# KiCad board repaper.kicad_pcb (continued)
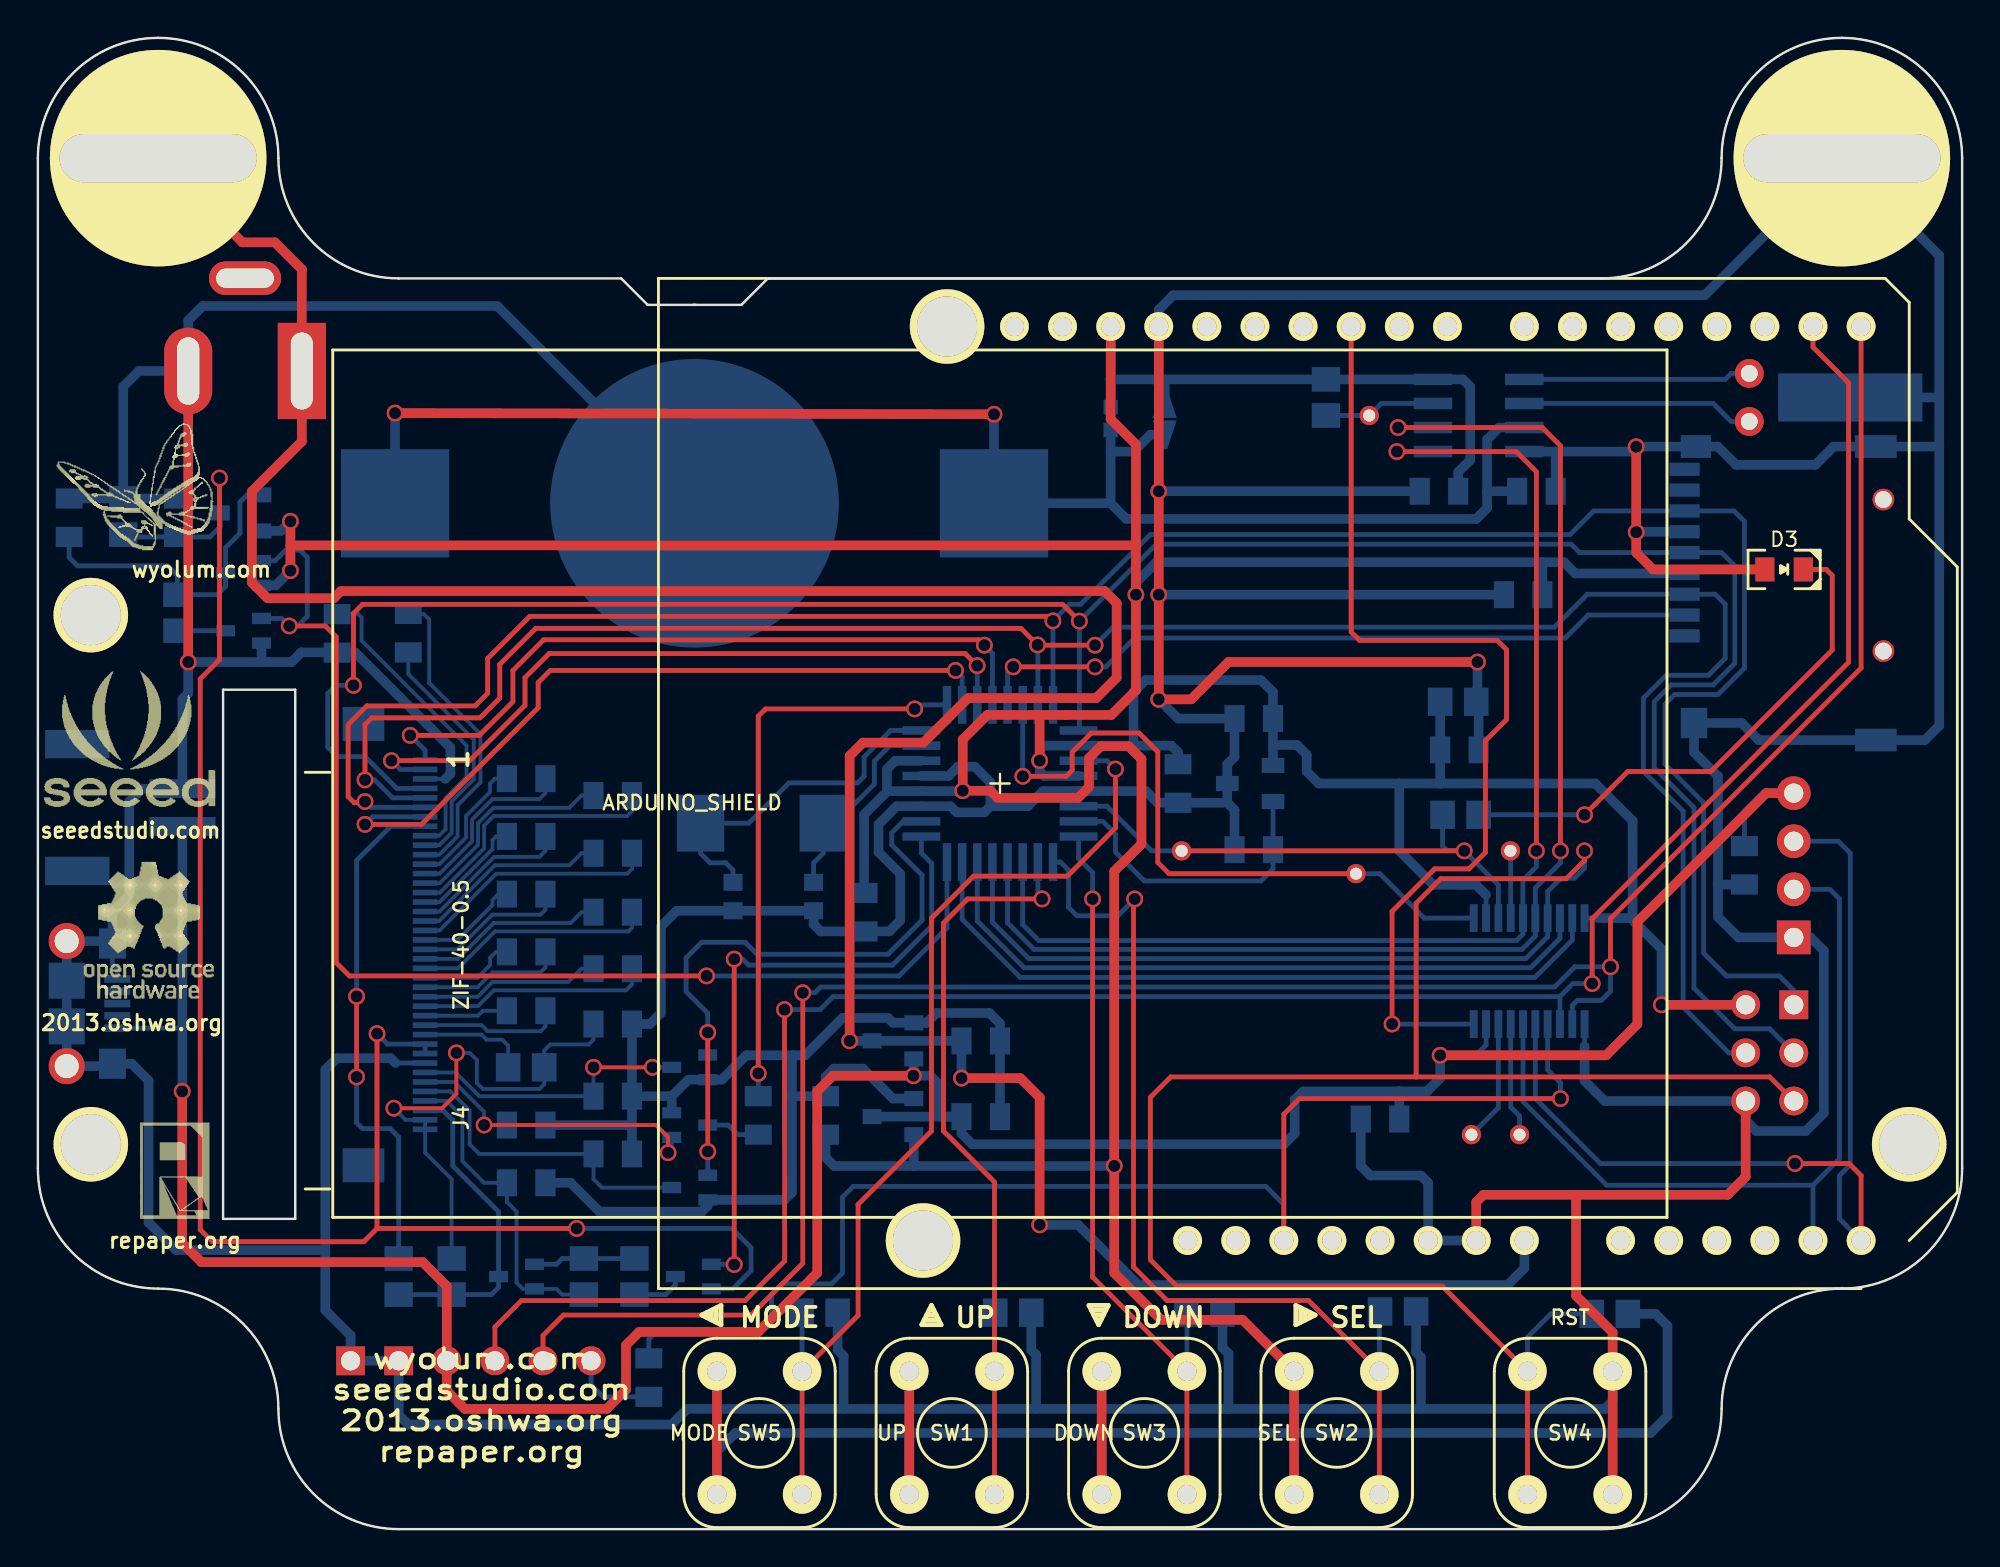
[diagram p0: board, top side]
## Nets
/3V3: C4.1 C5.1 C7.2 C27.2 C28.1 C29.1 C33.1 D2.2 P2.5 Q1.2 Q3.2 R7.2 R8.2 R16.2 SD1.4 SHIELD1.AREF SL1.2 SW1.2 SW2.2 SW3.2 SW5.2 U1.1 U2.4 U2.6 U2.18 U2.20 U3.2 U4.2 U4.10 U5.8
/VCC5V: C2.1 C34.1 C35.1 P3.3 P4.1 P5.1 P7.1 U3.3 U4.19 U6.2
/VCC_T: C1.2 J4.31 J4.32 Q1.3 Q7.2 R2.1
GND: BT1.- C1.1 C2.2 C3.1 C4.2 C5.2 C6.1 C7.1 C8.2 C9.1 C10.1 C21.1 C22.2 C23.2 C24.2 C25.2 C27.1 C28.2 C29.2 C30.2 C32.2 C33.2 C34.2 C35.2 D1.2 D3.2 H2.1 J4.3 J4.33 P2.1 P3.1 P3.2 P4.4 P5.2 P6.2 P7.5 P7.T1 P7.T2 P7.T3 P7.T4 P7.T5 P7.T6 Q2.2 Q4.2 Q5.2 R2.2 R4.1 R5.1 R6.1 R13.1 R16.1 SD1.6 SD1.G1 SD1.G2 SD1.G3 SD1.G4 SHIELD1.GND1 SHIELD1.GND2 SHIELD1.GND3 SW4.1 U1.3 U2.3 U2.5 U2.21 U3.1 U4.11 U5.4 U6.1 X2.3
//EPD_CS_3V3: J4.1 U2.12
//RESET_3V3: J4.7 U2.10
/AD7: AD7.1 U4.18
/AD7_3V3: AD7_3V3.1 R14.1 U2.22 U4.3
/BATT_3V: BT1.+ C32.1 D2.1 SL1.1 U5.3
/BORDER: J4.38 Q6.3 R3.2 R11.1
/BORDER_CONTROL: Q7.1 U2.1
/BUSY_3V3: J4.2 U2.11
/C11M: C20.1 J4.28
/C11P: C20.2 J4.29
/C12M: C19.1 J4.26
/C12P: C19.2 J4.27
/C13M: C18.1 J4.24
/C13P: C18.2 J4.25
/C14M: C17.1 J4.22
/C14P: C17.2 J4.23
/C15M: C16.1 J4.20
/C15P: C16.2 J4.21
/C16M: C15.1 J4.18
/C16P: C15.2 J4.19
/C21M: C14.1 J4.16
/C21P: C14.2 J4.17
/C31M: C13.1 J4.14
/C31P: C13.2 J4.15
/C41M: C12.2 J4.13
/C41P: C12.1 J4.12
/C42M: C11.2 J4.11
/C42P: C11.1 J4.10
/DISCHARGE: Q4.1 Q5.1 U2.2
/DOWN: R4.2 SW3.1 U2.24
/DTR: C31.2 P3.6
/MODE: R13.2 SW5.1 U2.19
/PANEL_ON: Q2.1 Q3.1 U2.32
/PWM: C26.2 U2.9
/RST: C31.1 SHIELD1.RST U4.14
/RST_3V3: P2.2 R7.1 SW4.2 U2.29 U4.7
/RXD: P3.4 SHIELD1.1 U4.13
/RXD_3V3: U2.30 U4.8
/SCL: P4.2 SHIELD1.AD5 U4.15
/SCL_3V3: U2.28 U4.6 U5.6
/SD_CS_3V3: SD1.2 U2.13
/SDA: P4.3 SHIELD1.AD4 U4.16
/SDA_3V3: U2.27 U4.5 U5.5
/SEL: R5.2 SW2.1 U2.25
/SPI_CLK_3V3: J4.4 P2.4 SD1.5 U2.17
/SPI_MISO_3V3: J4.6 P2.6 SD1.7 U2.16
/SPI_MOSI_3V3: J4.5 P2.3 SD1.3 U2.15
/SPI_SS: SHIELD1.10 U4.20
/SPI_SS_3V3: PB2.1 U2.14 U4.1
/SQW: R8.1 U5.7 U5/7.1
/TEMPERATURE: C8.1 U1.2 U2.23
/TXD: P3.5 SHIELD1.0 U4.12
/TXD_3V3: U2.31 U4.9
/UP: R6.2 SW1.1 U2.26
/V_IN: C30.1 H1.1 P6.1 SHIELD1.V_IN U6.3
/VCL: C10.2 J4.9
/VCOM: C21.2 J4.39 J4.40 R9.2 R11.2
/VCOM_DRIVER: J4.30 R9.1
/VDH: C24.1 J4.36 Q5.3
/VDL: C25.1 J4.37 Q6.2 R10.2
/VGH: C22.1 J4.34 Q4.3
/VGL: C23.1 D1.1 J4.35
N-000001: A3.1 U4.4
N-000003: C3.2 Q1.1 Q3.3 R1.2
N-000004: Q2.3 R1.1
N-000007: B3.1 U4.17
N-000009: C9.2 U2.8 X1.1
N-0000010: C6.2 U2.7 X1.2
N-0000012: Q6.1 R10.1 R12.1
N-0000026: Q7.3 R12.2
N-0000027: C26.1 D1.3
N-0000028: J4.8 R3.1
N-0000052: D3.1 R14.2
N-0000064: U5.1 X2.1
N-0000065: U5.2 X2.2

Pads without a net: H5 1; H6 1; J4 41 42; P6 3; P7 2 3 4; SD1 1 8 9 H1 H2; SHIELD1 2 3 3V3 4 5 5V 6 7 8 9 11 12 13 AD0 AD1 AD2 AD3 H1 H2 H4 NC SCL SDA

## Via types
v1: diameter 0.889, hole 0.635, Top to Bottom, 75 vias

## Routing (per net, layer and track width the routed paths; a pad name or vN(x,y) marks a point on that pad's centre or on a via; arc(x,y) is an arc through that point)
/3V3: length 406.5
  Top w0.508: v1(13.34,50.61) 13.34,51.94 ; 13.34,51.94 v1(13.34,53.21) ; 13.34,51.94 57.98,51.94 ; SHIELD1.AREF 56.64,58.61 57.98,57.28 57.98,51.94 ; 57.98,51.94 v1(57.98,49.34) 57.98,44.28 56.68,42.99 52.9,42.99 ; 52.9,42.99 50.13,42.99 48.83,41.69 v1(48.83,38.99) 50.29,38.99 50.67,38.61 54.91,38.61 55.5,39.19 55.5,40.72 56.12,41.34 57.59,41.34 58.27,40.67 58.27,36.17 56.83,34.73 v1(56.83,19.18) 56.83,13.53 59.31,11.05 63.61,11.05 SW2.2 SW2.2 ; 52.9,42.99 v1(52.9,40.58) ; SW3.2 SW3.2 ; SW5.2 SW5.2 ; SW1.2 SW1.2 ; P2.5 v1(85.72,27.69)
  Bottom w0.254: U4.10 82.37,32.26 ; U4.2 76.46,33.49
  Bottom w0.508: v1(48.83,38.99) 48.81,38.97 U2.4 44.86,38.97 ; 57.85,41.37 57.85,44.2 58.48,44.83 64.58,44.83 65.21,44.2 C7.2 65.21,41.4 ; 57.85,41.37 U2.18 53.12,41.37 52.9,41.15 v1(52.9,40.58) 52.9,40 53.13,39.77 U2.20 ; 57.85,41.37 59.85,41.37 60.2,41.02 C27.2 ; R7.2 85.41,11.37 86.04,10.73 86.04,5.97 85.15,5.08 66.36,5.08 ; 65.21,41.4 U1.1 ; 65.21,41.4 66.48,41.4 66.99,40.89 66.99,40 67.63,39.37 71.88,39.37 ; C33.1 74.99,55.82 75.63,56.45 75.63,60.32 75.25,60.71 U5.8 R8.2 59.5,60.71 ; 79.44,51.05 80.58,51.05 81.17,50.46 SD1.4 ; 79.44,51.05 C5.1 ; 79.44,51.05 59.05,51.05 57.98,49.97 v1(57.98,49.34) ; 56.64,60.71 SHIELD1.AREF ; 56.64,60.71 D2.2 ; 56.64,60.71 59.5,60.71 ; 66.36,5.08 66.33,5.08 SW2.2 ; 66.36,5.08 56.13,5.08 ; 56.13,5.08 56.17,5.08 SW3.2 ; 56.13,5.08 46.04,5.08 ; 46.04,5.08 46.01,5.08 SW1.2 ; 46.04,5.08 36.83,5.08 35.85,4.1 SW5.2 ; 46.23,19.18 v1(56.83,19.18) ; 46.23,19.18 46.25,19.18 U3.2 ; 46.23,19.18 42.04,19.18 41.59,19.62 C28.1 ; 44.86,38.97 44.83,38.97 44.83,40.13 45.27,40.57 U2.6 ; 44.86,38.97 43.62,37.73 C29.1 ; v1(13.34,50.61) 12.56,49.83 Q3.2 ; v1(13.34,53.21) 12.83,52.7 Q1.2 ; 59.5,60.71 SL1.2 ; 76.46,33.49 75.93,34.02 73.67,34.02 71.88,35.81 71.88,39.37 ; 84.09,32.26 85.72,30.63 v1(85.72,27.69) ; 84.09,32.26 84.2,32.26 84.2,37.4 82.23,39.37 74.1,39.37 ; 84.09,32.26 82.37,32.26 ; 74.1,39.37 74.04,39.37 C4.1 R16.2 ; 74.1,39.37 71.88,39.37
/VCC5V: length 162.9
  Top w0.508: v1(7.62,23.11) 7.62,15.11 8.64,14.1 20.32,14.1 21.59,12.83 P3.3 21.59,7.3 22.54,6.35 30.04,6.35 31.05,7.37 31.05,9.72 31.75,10.41 38.04,10.41 41.15,13.53 41.15,23.11 41.97,23.94 v1(46.23,23.94) ; P4.1 91.25,38.86 84.46,32.07 84.46,26.67 82.8,25.02 v1(74.04,25.02)
  Bottom w0.254: C34.1 90.11,37.91 91.06,38.86 P4.1 ; v1(74.04,25.02) 75.92,25.02 76.46,25.56 U4.19 ; P7.1 7.63,26.45
  Bottom w0.508: 71.88,23.11 66.8,23.11 66.36,22.67 66.36,20.89 65.79,20.32 49.34,20.32 48.77,20.89 C35.1 ; 71.88,23.11 C2.1 ; 71.88,23.11 73.34,23.11 74.04,23.81 v1(74.04,25.02) ; C35.1 47.69,21.78 47.5,21.97 47.5,23.56 47.12,23.94 v1(46.23,23.94) 46.25,23.96 U6.2 ; C35.1 U3.3 ; v1(7.62,23.11) 7.63,23.12 P5.1
/VCC_T: length 95.4
  Top w0.254: 17.91,15.88 17.21,15.18 9.21,15.18 8.57,15.81 8.57,44.89 9.59,45.91 v1(9.59,55.5) ; 17.91,15.88 v1(17.91,26.16) ; 17.91,15.88 v1(28.45,15.88)
  Bottom w0.254: v1(28.45,15.88) 36.64,15.88 37.66,14.86 37.66,13.65 36.69,12.68 Q7.2 ; R2.1 4.64,52.39 C1.2 9.08,52.39 9.63,52.94 Q1.3 9.59,53.7 v1(9.59,55.5) ; v1(17.91,26.16) 18.46,25.61 J4.31 J4.32
GND: length 680.6
  Top w0.508: 81.22,17.65 81.22,12.32 83.15,10.39 SW4.1 SW4.1 ; 81.22,17.65 76.33,17.65 75.95,17.27 SHIELD1.GND2 ; 81.22,17.65 89.22,17.65 90.17,18.61 P2.1 ; SHIELD1.GND3 v1(59.18,54.8) v1(59.18,49.34) v1(59.18,43.81) 60.9,43.81 62.87,45.78 v1(76.01,45.78) ; v1(84.39,57.15) v1(84.39,52.64) 84.39,51.56 85.28,50.67 D3.2 ; P6.2 v1(7.94,45.78)
  Bottom w0.203: J4.3 21.51,39.61
  Bottom w0.254: P7.T2 3.94,29.84 4.19,29.59 P7.5 ; 18.89,24.61 J4.33 ; U4.11 81.67,25.5
  Bottom w0.508: v1(59.18,43.81) 60.2,42.8 C7.1 63.18,40.77 62.8,40.39 U1.3 62.8,38.35 ; 33.47,22.86 34.34,23.73 Q4.2 36.12,23.73 37.4,25.02 39.81,25.02 ; 33.47,22.86 33.46,22.86 C22.2 ; 33.47,22.86 D1.2 ; 31.37,21.34 C24.2 ; 31.37,21.34 C22.2 ; 31.37,21.34 C23.2 ; SW4.1 83.15,6.76 82.74,6.35 73.03,6.35 ; 52.71,6.35 42.54,6.35 ; 52.71,6.35 52.71,9.21 52.45,9.46 R6.1 ; 52.71,6.35 62.87,6.35 ; 42.54,6.35 42.54,9.14 42.23,9.46 R13.1 ; 42.54,6.35 34.29,6.35 33.46,5.52 19.56,5.52 19.05,6.03 P3.2 P3.1 16.51,10.22 15.18,11.56 15.18,14.73 ; 62.8,38.35 63.18,37.97 C8.2 ; 62.8,38.35 C27.1 59.12,38.35 58.5,38.97 U2.21 53.07,38.97 52.27,38.17 50.29,38.17 ; 88.71,34.04 88.71,32.32 89.79,31.24 P4.4 93.6,31.24 94.3,30.54 94.3,21.97 93.34,21.02 90.74,21.02 90.17,21.59 P2.1 82.73,22.61 81.67,23.67 81.67,25.5 ; 88.71,34.04 C34.2 ; 88.71,34.04 88.71,39.75 87.44,41.02 SD1.G4 89.96,42.56 90.86,41.66 SD1.G3 99.64,41.66 100.39,42.42 100.39,57.15 ; 62.87,6.35 62.87,9.27 62.55,9.59 R4.1 ; 62.87,6.35 73.03,6.35 ; 73.03,6.35 73.03,9.08 72.77,9.33 72.77,11.43 ; 50.29,38.17 50.29,39.43 49.47,40.26 48.58,40.26 48.09,39.77 U2.5 ; 50.29,38.17 49.97,37.85 48.51,37.85 48.19,38.17 U2.3 45.35,38.17 44.39,37.21 44.39,35.75 45.53,34.61 45.53,32.13 44.96,31.56 C29.2 41.34,31.56 40.96,31.94 C6.1 C9.1 33.73,32.65 32.89,31.81 32.89,27.24 32.32,26.67 C21.1 C22.2 ; 39.81,25.02 40.51,25.02 42.48,26.99 44.89,26.99 45.15,26.73 U6.1 46.93,26.73 47.45,27.25 50.24,27.25 50.8,26.7 C30.2 C35.2 ; 39.81,25.02 39.81,22.86 ; 15.18,14.73 15.18,24.26 15.78,24.86 18.63,24.86 18.89,24.61 ; 15.18,14.73 7.3,14.73 5.84,16.19 5.84,23.69 4.95,24.57 P7.T1 3.81,24.45 P7.T5 P7.T3 P7.T4 P7.T6 3.81,31.05 P7.T2 3.94,32.58 4.83,33.46 4.83,38.42 5.51,39.1 P5.2 7.63,43.83 7.94,44.13 v1(7.94,45.78) 11.75,45.78 ; 39.81,22.86 C28.2 41.59,23.88 42.04,24.32 43.56,24.32 45.15,22.73 U3.1 ; 39.81,22.86 39.81,17.78 39.42,17.38 Q5.2 35.37,17.08 35.05,16.76 29.65,16.76 28.13,18.29 C25.2 ; 11.75,45.78 11.81,45.78 Q2.2 ; 11.75,45.78 13.4,45.78 13.91,46.29 15.79,46.29 C10.1 16.76,46.28 21.78,41.26 21.78,39.88 21.51,39.61 ; BT1.- 24.26,64.58 8.7,64.58 7.94,63.82 P6.2 5.33,61.15 4.51,60.32 R2.2 ; v1(84.39,52.64) 84.41,52.66 SD1.6 ; 100.39,57.15 100.39,57.16 SD1.G2 94.82,57.16 93.85,56.2 89.66,56.2 88.7,57.16 SD1.G1 84.39,57.16 v1(84.39,57.15) 84.14,56.9 80.14,56.9 ; 100.39,57.15 100.39,59.75 ; 100.39,59.75 100.39,67.25 H2.1 88.01,65.15 59.94,65.15 59.18,64.39 SHIELD1.GND3 ; 100.39,59.75 X2.3 ; R2.2 C1.1 ; R2.2 C3.1 ; C4.2 76.07,43.56 R16.1 76.01,43.75 v1(76.01,45.78) ; 80.14,56.9 U5.4 ; 80.14,56.9 C32.2 ; C5.2 v1(59.18,49.34) ; C2.2 69.85,19.18 70.36,18.67 73.03,18.67 73.41,18.29 SHIELD1.GND1 SHIELD1.GND2 ; C33.2 v1(59.18,54.8)
//EPD_CS_3V3: length 38.4
  Top w0.254: v1(49.97,46.67) 49.69,46.96 26.7,46.96 25.08,45.34 25.08,43.69 23.3,41.91 v1(19.66,41.91)
  Bottom w0.254: v1(49.97,46.67) 50.4,46.25 U2.12 ; v1(19.66,41.91) 20.45,41.12 J4.1
//RESET_3V3: length 40.6
  Top w0.254: v1(17.27,37.21) 20.26,37.21 26.42,43.37 26.42,44.7 27.05,45.34 v1(48.45,45.34)
  Bottom w0.254: v1(48.45,45.34) 48.8,44.99 U2.10 ; v1(17.27,37.21) 17.67,37.61 J4.7
/AD7: length 6.4
  Bottom w0.254: AD7.1 77.11,22.25 U4.18
/AD7_3V3: length 28.5
  Top w0.254: AD7_3V3.1 v1(75.31,35.81)
  Bottom w0.254: U2.22 56.44,38.17 58.8,35.81 AD7_3V3.1 ; R14.1 74.17,36.07 74.42,35.81 v1(75.31,35.81) 77.11,34.01 U4.3
/BATT_3V: length 82.2
  Top w0.508: v1(18.86,58.93) v1(50.48,58.86)
  Bottom w0.508: 76.52,54.8 76.52,57.53 77.15,58.17 U5.3 ; 76.52,54.8 C32.1 ; 76.52,54.8 76.52,53.91 75.95,53.34 57.47,53.34 56.64,54.17 ; 56.64,54.17 56.64,56.9 ; 56.64,54.17 BT1.+ v1(50.48,58.86) ; 56.64,56.9 57.85,56.9 58.74,57.78 SL1.1 ; 56.64,56.9 D2.1 ; v1(18.86,58.93) BT1.+
/BORDER: length 16.9
  Bottom w0.254: R3.2 R11.1 23.94,12.38 24.32,12.77 Q6.3 24.32,16.76 21.91,19.18 21.91,21.59 21.39,22.11 J4.38
/BORDER_CONTROL: length 33.7
  Top w0.254: v1(36.77,30.1) v1(36.77,13.97)
  Bottom w0.254: v1(36.77,13.97) 36.75,13.99 Q7.1 ; U2.1 46.65,35.7 47.19,35.15 47.19,31.85 45.12,29.78 37.53,29.78 37.21,30.1 v1(36.77,30.1)
/BUSY_3V3: length 38.4
  Top w0.254: v1(49.59,45.59) 48.96,46.23 26.99,46.23 25.72,44.96 25.72,43.5 22.8,40.58 v1(18.67,40.58)
  Bottom w0.254: v1(49.59,45.59) 49.6,45.59 U2.11 ; v1(18.67,40.58) 19.13,40.11 J4.2
/C11M: length 4.4
  Bottom w0.203: C20.1 23.5,27.37 23.24,27.11 J4.28
/C11P: length 7.4
  Bottom w0.203: C20.2 26.8,26.54 26.54,26.29 23.75,26.29 23.43,26.61 J4.29
/C12M: length 9.5
  Bottom w0.203: C19.1 28.7,29.59 28,28.89 24,28.89 23.22,28.11 J4.26
/C12P: length 12.2
  Bottom w0.203: C19.2 31.37,28.77 31.05,28.45 24.07,28.45 23.23,27.61 J4.27
/C13M: length 5.1
  Bottom w0.203: J4.24 23.21,29.11 23.88,29.78 23.88,30.16 24.19,30.48 C18.1
/C13P: length 7.6
  Bottom w0.203: C18.2 26.8,29.65 26.54,29.4 24,29.4 23.21,28.61 J4.25
/C14M: length 9.9
  Bottom w0.203: J4.22 22.17,30.11 24.07,32 28.13,32 28.7,32.58 C17.1
/C14P: length 12.6
  Bottom w0.203: C17.2 31.37,31.75 31.18,31.56 24.13,31.56 22.18,29.61 J4.23
/C15M: length 5.5
  Bottom w0.203: J4.20 22.16,31.11 24,32.96 24,33.21 24.32,33.53 C16.1
/C15P: length 8
  Bottom w0.203: C16.2 26.8,32.7 26.54,32.45 24,32.45 22.16,30.61 J4.21
/C16M: length 10.4
  Bottom w0.203: C15.1 28.7,35.69 28.07,35.05 24.13,35.05 21.19,32.11 J4.18
/C16P: length 13.1
  Bottom w0.203: C15.2 31.37,34.86 31.12,34.61 24.21,34.61 21.21,31.61 J4.19
/C21M: length 6
  Bottom w0.203: J4.16 21.21,33.11 24,35.91 24,36.39 24.19,36.58 C14.1
/C21P: length 8.4
  Bottom w0.203: C14.2 26.8,35.81 26.48,35.5 24.09,35.5 21.21,32.61 J4.17
/C31M: length 11.5
  Bottom w0.203: C13.1 28.7,38.73 28.05,38.09 24.05,38.09 23.24,37.27 23.24,36.13 21.22,34.11 J4.14
/C31P: length 14.2
  Bottom w0.203: C13.2 31.37,37.91 31.12,37.66 24.07,37.66 23.56,37.15 23.56,35.94 21.23,33.61 J4.15
/C41M: length 9.5
  Bottom w0.203: C12.2 26.8,38.86 26.48,38.54 24,38.54 22.92,37.47 22.92,36.32 21.21,34.61 J4.13
/C41P: length 7.1
  Bottom w0.203: J4.12 21.2,35.11 22.61,36.51 22.61,37.66 23.88,38.93 23.88,39.37 24.13,39.62 C12.1
/C42M: length 16.4
  Bottom w0.203: J4.11 21.2,35.61 22.16,36.58 22.16,38.23 23.37,39.43 23.37,41.97 20.66,44.68 20.66,48.03 20.38,48.32 C11.2
/C42P: length 13.1
  Bottom w0.203: J4.10 21.19,36.11 21.84,36.77 21.84,38.42 23.01,39.59 23.01,41.69 19.56,45.15 C11.1
/DISCHARGE: length 34
  Top w0.254: v1(35.37,19.94) v1(35.37,26.23)
  Bottom w0.254: v1(35.37,19.94) 35.37,19.94 Q5.1 ; Q4.1 35.37,26.22 v1(35.37,26.23) 35.37,27.24 34.23,28.38 34.23,30.16 35.05,30.99 37.34,30.99 37.97,30.35 44.88,30.35 46.69,32.16 46.69,34.53 45.09,36.13 45.09,36.77 45.69,37.37 U2.2
/DOWN: length 40.2
  Top w0.254: v1(55.69,33.27) 55.69,13.31 SW3.1 SW3.1
  Bottom w0.254: v1(55.69,33.27) 55.69,34.67 54.95,35.41 U2.24 ; R4.2 60.67,11.4 SW3.1
/DTR: length 5.7
  Bottom w0.254: C31.2 32.83,6.98 29.84,6.98 29.21,7.62 P3.6
/MODE: length 53.3
  Top w0.254: v1(56.9,40.13) 56.9,37.02 54.36,34.48 49.4,34.48 47.18,32.26 47.18,21.02 43.31,17.14 43.31,11.29 SW5.1 SW5.1
  Bottom w0.254: R13.2 40.35,11.4 SW5.1 ; v1(56.9,40.13) 56.46,40.57 U2.19
/PANEL_ON: length 65.7
  Top w0.254: v1(35.31,29.21) 16.45,29.21 15.75,29.91 15.75,47.12 15.18,47.69 v1(13.27,47.69)
  Bottom w0.254: U2.32 48,31.74 45.47,29.21 v1(35.31,29.21) ; Q2.1 12.88,48.08 v1(13.27,47.69) 13.72,47.69 14.22,48.2 14.22,51.31 13.84,51.69 13.08,51.69 12.52,51.13 Q3.1
/PWM: length 30.3
  Top w0.254: v1(46.29,43.31) 38.42,43.31 38.04,42.93 v1(38.04,24.07)
  Bottom w0.254: v1(46.29,43.31) 46.5,43.52 U2.9 ; v1(38.04,24.07) C26.2
/RST: length 69.1
  Top w0.254: SHIELD1.RST 65.79,21.91 66.61,22.73 v1(80.39,22.73)
  Bottom w0.254: SHIELD1.RST 65.79,17.14 64.83,18.1 43.05,18.1 42.48,17.53 42.48,13.53 41.91,12.95 39.31,12.95 38.74,12.38 38.74,11.18 38.1,10.54 32.77,10.54 32.26,10.03 C31.1 ; U4.14 79.72,24.25 80.39,23.57 v1(80.39,22.73)
/RST_3V3: length 137.1
  Top w0.254: P2.2 91.44,23.88 72.77,23.88 ; 72.77,23.88 59.82,23.88 58.74,22.8 58.74,14.22 60.13,12.83 74.15,12.83 SW4.2 SW4.2 ; 72.77,23.88 72.77,33.05 74.07,34.34 80.7,34.34 81.66,35.31 v1(81.66,35.81)
  Bottom w0.254: R7.1 79.88,11.37 78.65,10.13 SW4.2 ; U2.29 50.4,32.05 52.32,30.12 78.56,30.12 79.72,31.28 U4.7 79.72,33.67 80.42,34.37 81.13,34.37 81.66,34.9 v1(81.66,35.81)
/RXD: length 117.5
  Top w0.254: P3.4 24.13,10.67 25.53,12.06 37.34,12.06 39.43,14.16 v1(39.42,27.43) ; SHIELD1.1 93.73,62.41 95.61,60.53 95.61,45.77 82.07,32.23 v1(82.07,28.8)
  Bottom w0.254: v1(39.42,27.43) 41.3,27.43 41.99,28.12 80.37,28.12 ; 80.37,28.12 81.05,28.8 v1(82.07,28.8) ; 80.37,28.12 U4.13
/RXD_3V3: length 36.6
  Bottom w0.254: U2.30 49.6,32.11 52.07,29.64 78.82,29.64 80.37,31.19 U4.8
/SCL: length 50.6
  Top w0.254: v1(92.77,19.3) 95.63,19.3 96.27,18.67 SHIELD1.AD5
  Bottom w0.254: P4.2 95.06,36.32 95.69,35.69 95.69,19.24 95.12,18.67 95.12,16.38 SHIELD1.AD5 ; v1(92.77,19.3) 82.5,19.3 79.07,22.74 U4.15
/SCL_3V3: length 69.2
  Top w0.254: v1(71.82,58.17) 79.43,58.17 80.39,57.2 v1(80.39,35.81)
  Bottom w0.254: U5.6 v1(71.82,58.17) ; U2.28 51.2,32.01 52.6,30.61 78.35,30.61 79.07,31.32 U4.6 79.07,33.85 80.39,35.18 v1(80.39,35.81)
/SD_CS_3V3: length 38.7
  Top w0.254: v1(55.82,45.53) v1(51.5,45.53)
  Bottom w0.254: v1(55.82,45.53) 56.39,45.53 57.91,47.05 80.65,47.05 81.85,48.26 SD1.2 ; v1(51.5,45.53) 51.2,45.23 U2.13
/SDA: length 42.5
  Bottom w0.254: 93.73,18.16 95.12,19.56 95.12,33.27 94.62,33.78 P4.3 ; 93.73,18.16 82.83,18.16 78.41,22.58 U4.16 ; 93.73,18.16 SHIELD1.AD4
/SDA_3V3: length 64.6
  Top w0.254: v1(71.75,56.9) 78.05,56.9 79.12,55.83 v1(79.12,35.81)
  Bottom w0.254: U5.5 v1(71.75,56.9) ; U2.27 52,31.92 52.84,31.08 78.07,31.08 78.41,31.42 U4.5 78.41,32.27 78.41,34.26 79.12,34.98 v1(79.12,35.81)
/SEL: length 51.3
  Top w0.254: v1(57.91,33.27) 57.85,33.21 57.85,13.84 59.63,12.06 67.09,12.06 SW2.1 SW2.1
  Bottom w0.254: 70.87,11.43 70.83,11.39 SW2.1 ; v1(57.91,33.27) 57.02,32.38 54.86,32.38 54.42,32.83 54.42,34.8 54,35.22 U2.25
/SPI_CLK_3V3: length 128.6
  Top w0.254: v1(54.99,47.94) 54.1,48.83 17.15,48.83 16.66,48.35 v1(16.66,44.55)
  Bottom w0.254: P2.4 91.44,26.42 89.6,26.42 87.44,28.58 87.44,38.1 85.34,40.2 85.34,43.69 86.23,44.58 88.46,44.58 89.6,45.72 89.6,50.86 88.9,51.56 SD1.5 81.41,51.56 80.96,52.01 59.05,52.01 v1(54.99,47.94) 54.99,42.21 U2.17 ; v1(16.66,44.55) 15.75,44.55 15.3,44.11 15.3,41.29 15.8,40.79 17.27,40.79 18.95,39.11 J4.4
/SPI_MISO_3V3: length 125.6
  Top w0.254: v1(17.27,38.42) 17.21,38.35 16.7,38.35 16.38,38.67 16.38,42.48 17.37,43.47 23.08,43.47 23.75,44.13 23.75,45.97 25.97,48.2 53.35,48.2 v1(53.59,47.96)
  Bottom w0.254: v1(17.27,38.42) 17.58,38.11 J4.6 ; P2.6 92.71,28.45 91.95,29.21 89.15,29.21 87.95,30.42 87.95,38.35 85.92,40.39 85.92,43.56 86.42,44.07 88.71,44.07 90.11,45.47 90.11,53.21 89.56,53.76 SD1.7 82.15,53.76 80.9,52.51 58.74,52.51 55.05,48.83 54.47,48.83 v1(53.59,47.96) 53.6,47.96 U2.16
/SPI_MOSI_3V3: length 115.9
  Top w0.254: v1(55.82,46.67) 52.79,46.67 v1(52.78,46.69) 51.9,47.56 26.29,47.56 24.38,45.66 24.38,43.88 23.34,42.84 17.63,42.84 17.27,42.48 v1(17.27,39.56)
  Bottom w0.254: v1(52.78,46.69) 52.8,46.67 U2.15 ; P2.3 89.28,25.15 86.87,27.56 86.87,37.91 84.77,40 84.77,43.88 85.98,45.08 88.2,45.08 89.09,45.97 89.09,48.83 88.56,49.36 SD1.3 81.81,49.36 80.07,47.62 56.77,47.62 v1(55.82,46.67) ; v1(17.27,39.56) 17.78,39.56 18.73,38.61 J4.5
/SPI_SS: length 52.4
  Top w0.254: SHIELD1.10 69.34,47.37 69.79,46.93 77.05,46.93 77.55,46.43 77.55,42.75 76.43,41.63 76.43,35.73 75.56,34.86 73.75,34.86 71.5,32.61 v1(71.5,26.67)
  Bottom w0.254: v1(71.5,26.67) 71.51,26.66 U4.20
/SPI_SS_3V3: length 36.6
  Top w0.254: PB2.1 59.73,34.61 59.13,35.2 59.13,41.05 58.14,42.04 55.63,42.04 54.61,41.02 54.61,40.07 54.29,39.75 v1(52.01,39.75)
  Bottom w0.254: v1(52.01,39.75) 52,39.76 U2.14 ; PB2.1 70.85,34.61 73.2,32.26 U4.1
/SQW: length 5.9
  Bottom w0.254: R8.1 U5/7.1 70.93,59.44 U5.7
/TEMPERATURE: length 15.9
  Bottom w0.254: U2.23 56.23,37.37 56.9,36.7 56.9,35.75 58.42,34.23 64.58,34.23 65.21,34.86 C8.1 U1.2
/TXD: length 118
  Top w0.254: v1(40.39,28.32) 40.39,14.03 37.66,11.3 27.75,11.3 26.67,10.22 P3.5 ; v1(83.03,29.69) 83.03,32.23 96.27,45.47 SHIELD1.0
  Bottom w0.254: U4.12 81.02,27.65 81.28,27.91 82.55,27.91 83.03,28.4 v1(83.03,29.69) 81.15,29.69 80.09,28.63 41.33,28.63 41.02,28.32 v1(40.39,28.32)
/TXD_3V3: length 38.5
  Bottom w0.254: U2.31 48.8,32.2 51.87,29.13 79.04,29.13 81.02,31.1 U4.9
/UP: length 42.2
  Top w0.254: v1(53.02,33.27) 49.09,33.27 47.82,32 47.82,21.02 50.51,18.32 SW1.1 SW1.1
  Bottom w0.254: v1(53.02,33.27) 52.8,33.5 U2.26 ; R6.2 50.51,11.39 SW1.1
/V_IN: length 156.8
  Top w0.508: v1(52.9,16.07) 52.9,22.8 51.88,23.81 v1(48.77,23.81) ; H1.1 10.8,67.94 12.51,67.94 13.94,66.52 P6.1 13.94,57.43 11.3,54.8 11.3,49.97 12.13,49.15 15.62,49.15 16,49.53 56.32,49.53 56.96,48.89 56.96,44.96 55.88,43.88 49.11,43.88 46.76,41.53 43.56,41.53 42.86,40.83 v1(42.86,25.78)
  Bottom w0.508: v1(48.77,23.81) C30.1 U6.3 v1(42.86,25.78) ; SHIELD1.V_IN 78.49,13.78 77.6,12.89 58.1,12.89 54.93,16.07 v1(52.9,16.07)
/VCL: length 16.5
  Bottom w0.203: C10.2 16.92,48.31 17.09,48.13 17.09,46.91 22.63,41.38 22.63,39.71 21.53,38.61 21.53,36.96 21.18,36.61 J4.9
/VCOM: length 27.3
  Top w0.203: v1(18.8,22.22) 21.34,22.22 22.1,22.99 v1(22.1,25.15)
  Bottom w0.203: v1(18.8,22.22) 19.41,21.61 J4.39 J4.40 20.45,19.88 21.84,18.48 R11.2 ; C21.2 29.34,25.84 29.08,25.59 27.05,25.59 26.73,25.27 R9.2 26.73,23.49 26.48,23.24 23.5,23.24 23.18,23.56 23.18,24.77 22.8,25.15 v1(22.1,25.15)
/VCOM_DRIVER: length 5.8
  Bottom w0.203: R9.1 24.83,25.53 24.51,25.84 23.69,25.84 23.42,26.11 J4.30
/VDH: length 16.9
  Bottom w0.203: Q5.3 29.78,18.03 29.34,18.48 C24.1 23.3,19.81 22.8,20.32 22.8,22.1 21.78,23.11 J4.36
/VDL: length 16.8
  Bottom w0.203: R10.2 27.69,12.38 27.38,12.68 Q6.2 25.61,12.68 25.27,13.02 25.27,16.76 24.77,17.27 C25.1 23.56,18.29 22.42,19.43 22.42,21.78 21.59,22.61 J4.37
/VGH: length 15.1
  Top w0.203: v1(29.34,24.38) v1(32.45,24.38)
  Bottom w0.203: v1(32.45,24.38) Q4.3 ; J4.34 22.05,24.11 23.3,22.86 C22.1 v1(29.34,24.38)
/VGL: length 17.4
  Top w0.203: v1(23.56,21.34) 32.64,21.34 33.27,20.7 v1(33.27,19.88)
  Bottom w0.203: v1(33.27,19.88) 33.47,20.07 D1.1 ; C23.1 v1(23.56,21.34) 23.56,22.03 21.98,23.61 J4.35
N-000001: length 3.6
  Bottom w0.254: A3.1 77.76,35.8 U4.4
N-000003: length 17
  Bottom w0.254: C3.2 1.65,51.31 2.1,50.86 6.86,50.86 7.37,50.36 R1.2 9.46,49.34 9.91,49.79 Q3.3 9.91,51.82 10.67,52.58 10.67,54.23 11.05,54.61 Q1.1
N-000004: length 3.5
  Bottom w0.254: 7.94,47.43 7.56,47.05 R1.1 Q2.3
N-000007: length 6
  Bottom w0.254: B3.1 78.23,21.82 77.76,22.29 U4.17
N-000009: length 18.6
  Bottom w0.254: C9.2 36.7,34.8 36.32,35.18 35.5,35.18 34.99,35.69 X1.1 37.53,37.27 39.66,39.4 43.28,39.4 43.62,39.75 43.62,40.77 45.03,42.17 U2.8
N-0000010: length 10.9
  Bottom w0.254: C6.2 40.96,35.18 41.47,35.69 X1.2 42.1,37.27 44.16,39.34 44.16,40.54 44.99,41.37 U2.7
N-0000012: length 5.4
  Bottom w0.254: Q6.1 27.38,13.99 27.69,14.29 R10.1 R12.1
N-0000026: length 2.8
  Bottom w0.254: Q7.3 33.66,12.89 33.15,12.38 R12.2
N-0000027: length 2.9
  Bottom w0.254: C26.1 36.96,20.83 36.45,21.34 D1.3
N-0000028: length 27.2
  Top w0.254: v1(16.83,28.13) v1(16.83,23.88)
  Bottom w0.254: v1(16.83,28.13) 16.83,35.31 18.63,37.11 J4.8 ; R3.1 19.05,20.7 18.61,21.15 17.15,21.15 16.83,21.46 v1(16.83,23.88)
N-0000052: length 27.9
  Top w0.254: v1(81.66,37.72) 83.95,40 88.33,40 94.74,46.42 94.74,50.36 94.42,50.67 D3.1
  Bottom w0.254: R14.2 v1(81.66,37.72)
N-0000064: length 12
  Bottom w0.254: X2.1 89.41,61.02 89.09,60.71 U5.1
N-0000065: length 12.3
  Bottom w0.254: X2.2 89.41,58.48 88.46,59.44 U5.2

## Copper pours and planes (outline as drawn; the poured copper is in the pictures)
GND on Bottom: 101.54,19.05 99.69,14.61 95.25,12.76 92.65,12.76 88.84,8.95 88.84,6.35 87,1.91 82.55,0.06 19.05,0.06 14.61,1.91 12.76,6.35 12.76,8.95 8.95,12.76 6.35,12.76 1.91,14.61 0.06,19.05 0.06,65.98 30.73,65.98 32.19,64.52 37.15,64.52 38.61,65.98 101.54,65.98 ; 3 cut-outs

## Text on the board
B.SilkS: TEMP | RTC | 5V | SCL | SDA | GND | @ 5V0 | I2C@5V | ISP@3V3 | [+] | [-] | 3V7 max | 7-12V | 5V max | ID:
F.SilkS: seeedstudio.com | 2013.oshwa.org | repaper.org | wyolum.com | MODE | UP | DOWN | SEL | wyolum.com / seeedstudio.com / 2013.oshwa.org / repaper.org
